# Altium PCB PCB2.PcbDoc
Units mm, origin at the board's own origin, x right, y up, seen from the top; angles counter-clockwise.
Board outline 126.28 x 82.85 mm, 2 copper layers (Top Layer, Bottom Layer); 46 components, 100 nets, 357 pads, 56 vias.
Unrouted connection lines stored in the file: 3.
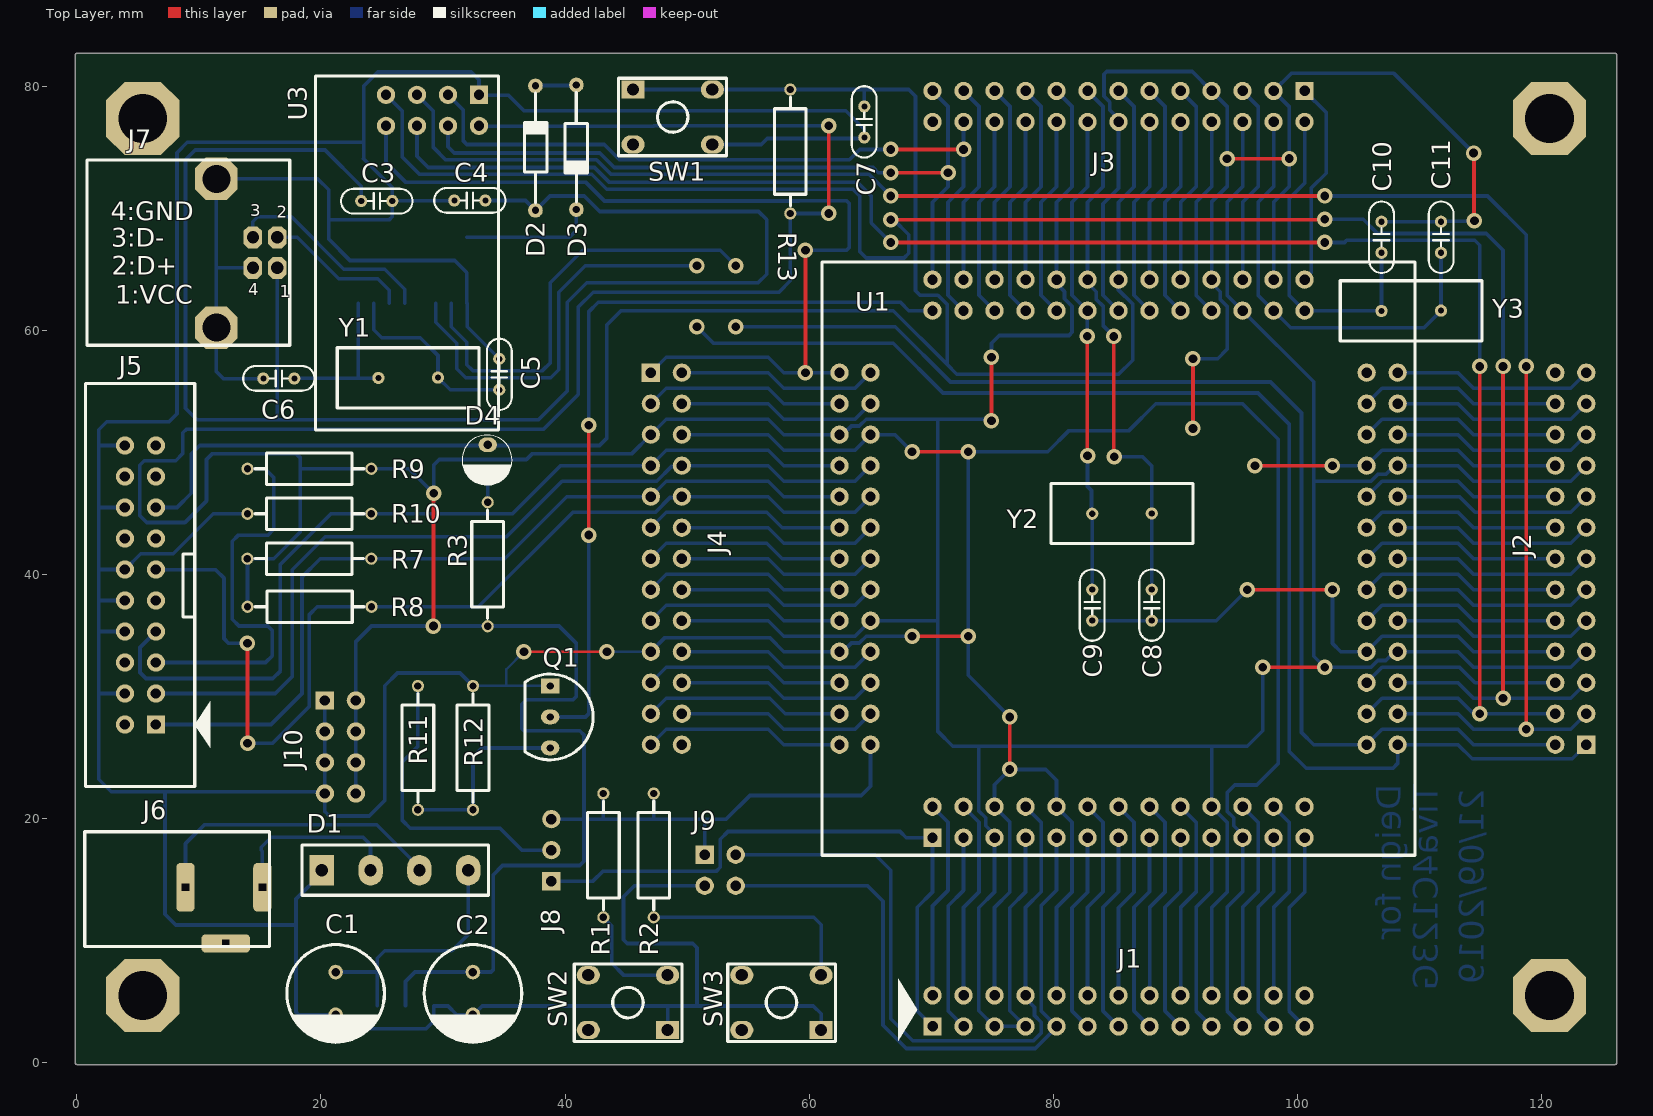
[diagram p0: Top Layer view]
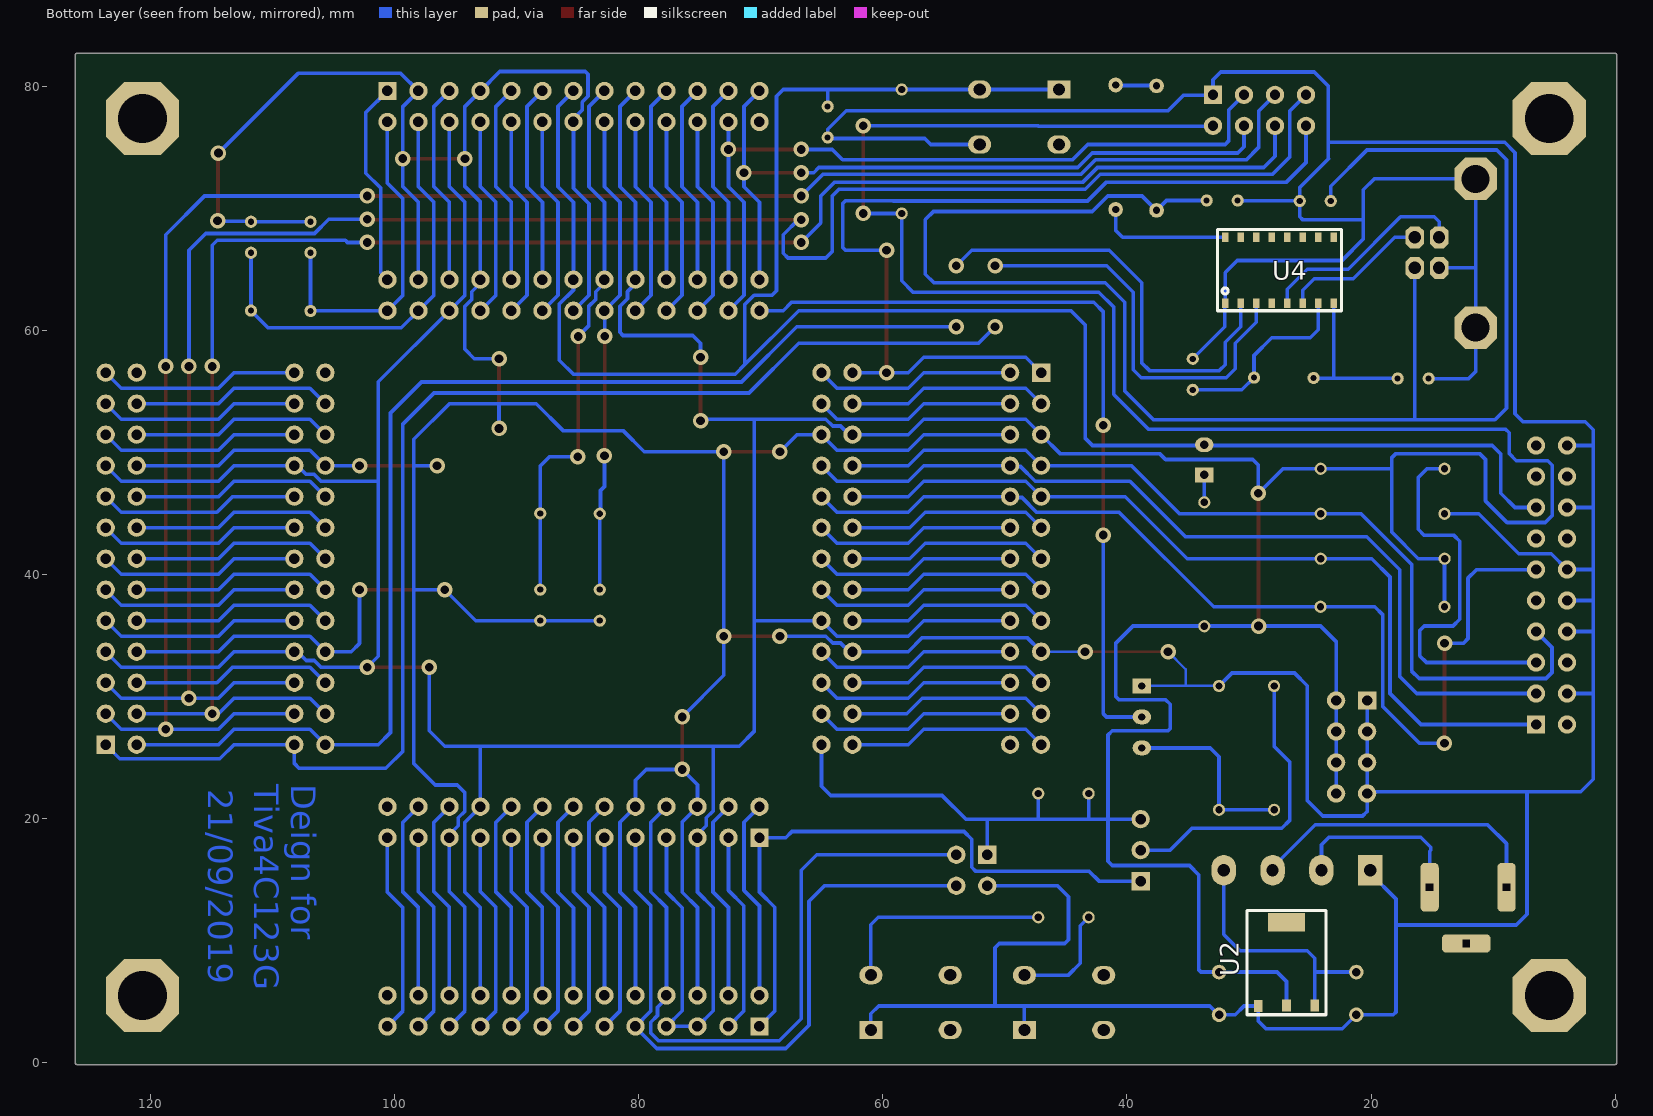
[diagram p1: Bottom Layer view, seen from below]

## Layer stack, top to bottom
Top Solder: solder mask 0.0102, Solder Resist, Dk 3.5
Top Layer: signal copper 0.0356
Dielectric 1: dielectric 0.32, FR-4, Dk 4.8
Bottom Layer: signal copper 0.0356
Bottom Solder: solder mask 0.0102, Solder Resist, Dk 3.5

## Board outline
0,-0.152 cw(c0,-0.025) -0.127,-0.025 -0.127,82.567 cw(c0,82.567) 0.002,82.694 126.025,82.694 cw(c126.025,82.567) 126.152,82.567 126.152,-0.025 cw(c126.025,-0.025) 126.025,-0.152

## Design rules (kind name [scope] priority, off if disabled: settings)
Clearance [All] p1: gap=0.254 ignorepadtopadclearanceinfootprint=FALSE except(0: Arc-Hole Track-Hole SMDPad-Hole THPad-Hole Via-Hole Fill-Hole Poly-Hole Region-Hole Text-Hole)
PolygonConnect [All] p1: connectstyle=Relief reliefconductorwidth=0.254 reliefentries=4 polygonreliefangle="90 Angle" airgapwidth=0.254
RoutingVias [All] p1: holewidth=0.711 width=1.27 viastyle="Through Hole" minholewidth=0.711 minwidth=1.27 maxholewidth=0.711 maxwidth=1.27
SolderMaskExpansion [All] p1: expansion=0.102
Width [All] p1: maxlimit=1 minlimit=0.2 preferedwidth=0.3
30 further rules are at their usual default settings.

## Components (designator, comment, footprint, x,y, rotation, side; value= is the part's Value field where it differs from the comment)
C1 "100uF" CAP_RAD_D8x11.5_POL_BK 21.2,5.675 r270 top
C2 "100uF" CAP_RAD_D8x11.5_POL_BK 32.45,5.675 r270 top
C3 "100pF" CAP_DISC_PITCH_2.54MM 24.57,70.59 r180 top
C4 "10pF" CAP_DISC_PITCH_2.54MM 32.195,70.635 r0 top
C5 "22pF" CAP_DISC_PITCH_2.54MM 34.6,56.395 r270 top
C6 "22pF" CAP_DISC_PITCH_2.54MM 16.545,56.05 r0 top
C7 "100pF" CAP_DISC_PITCH_2.54MM 64.514,77.073 r90 top
C8 "22pF" CAP_DISC_PITCH_2.54MM 88.065,37.482 r90 top
C9 "22pF" CAP_DISC_PITCH_2.54MM 83.185,37.482 r90 top
C10 "22pF" CAP_DISC_PITCH_2.54MM 106.88,67.625 r270 top
C11 "22pF" CAP_DISC_PITCH_2.54MM 111.76,67.625 r270 top
D1 "Diode_Bridge" DIODE_2A 26.035,15.765 r0 top
D2 "1N4148" DO-35 37.572,74.925 r90 top
D3 "1N4148" DO-35 40.925,75 r270 top
D4 "LED 3mm" LED-3MM 33.655,49.388 r0 top
J1 "Header 13x2 TH Pitch 2.54mm" "Header 13x2 TH Pitch 2.54mm" 85.344,4.241 r90 top
J2 "Header 13x2 TH Pitch 2.54mm" "Header 13x2 TH Pitch 2.54mm" 122.395,41.292 r180 top
J3 "Header 13x2 TH Pitch 2.54mm" "Header 13x2 TH Pitch 2.54mm" 85.344,78.343 r270 top
J4 "Header 13x2 TH Pitch 2.54mm" "Header 13x2 TH Pitch 2.54mm" 48.293,41.292 r0 top
J5 "JTAG" IDC_CONNECTOR_20_2.54 5.207,39.133 r180 top
J6 "Connector" JACK-DC 1.397,14.368 r270 top
J7 "USB B Type" USB-B-TYPE 16.418,65.124 r0 top
J8 "LED" "Header 3x1 TH Pitch 2.54mm" 38.875,17.415 r90 top
J9 "Header 2x2 TH Pitch 2.54mm" "Header 2x2 TH Pitch 2.54mm" 52.705,15.765 r0 top
J10 "Header 4x2 TH Pitch 2.54mm" "Header 4x2 TH Pitch 2.54mm" 21.59,25.867 r0 top
Q1 "2SC1815-TO92" TO-92 38.775,28.325 r270 top
R1 "10K" RES-0.25W-H-MF 43.134,16.982 r90 top
R2 "10K" RES-0.25W-H-MF 47.259,16.982 r90 top
R3 "10K" RES-0.25W-H-MF 33.655,40.833 r270 top
R7 "10K" RES-0.25W-H-MF 19.045,41.292 r180 top
R8 "10K" RES-0.25W-H-MF 19.06,37.355 r180 top
R9 "10K" RES-0.25W-H-MF 19.05,48.658 r0 top
R10 "10K" RES-0.25W-H-MF 19.05,44.975 r180 top
R11 "10K" RES-0.25W-H-MF 27.94,25.79 r270 top
R12 "10K" RES-0.25W-H-MF 32.45,25.79 r270 top
R13 "10K" RES-0.25W-H-MF 58.45,74.65 r270 top
SW1 "Button1" BUTTON_HOLE_5.0mm 48.813,77.475 r90 top
SW2 "Button1" BUTTON_HOLE_5.0mm 45.15,4.925 r270 top
SW3 "Button1" BUTTON_HOLE_5.0mm 57.725,4.925 r270 top
U1 "TM4C123GH6PZI7" "QFP100-0.5 SOCKET PINOUT" 85.344,41.292 r270 top
U2 "AMS1117" SOT223-3 26.925,8.125 r180 bottom
U3 "nRF24L01" nRF24L01 29.135,78.02 r90 top
U4 "CH340G" SOP16_1.27_3.8 27.5,64.925 r90 bottom
Y1 "12MHz" HC-49S 29.58,56.1 r180 top
Y2 "12MHz" HC-49S 88.065,44.975 r180 top
Y3 "12MHz" HC-49S 106.88,61.612 r0 top

## Footprints (in the part's own frame and the unit in brackets; to place one, negate y for a bottom-side part, rotate by r counter-clockwise, add the part's x,y. Pads: shape width x height; smd on the part's side, far side on the other; paste and mask are expansions set on the pad)
BUTTON_HOLE_5.0mm [mm]
  rect 1.5x1.9 hole 1: 1(2.25,3.25)
  oval 1.5x1.9 hole 1: 2(2.25,-3.25) 3(-2.25,3.25) 4(-2.25,-3.25)
  silkscreen extent -3.18,-4.4 3.18,4.43, body extent -3,-3.86 3,3.86, height 5
CAP_DISC_PITCH_2.54MM [mm]
  round 1 hole 0.5: 1(-1.27,0) 2(1.27,0)
  silkscreen extent -2.92,-1.01 2.92,1.02, body extent -2.92,-0.85 2.92,0.85, height 5.97
CAP_RAD_D8x11.5_POL_BK [mm]
  round 1.2 hole 0.7: 1(-1.75,0) 2(1.75,0)
  silkscreen extent -4,-4 4,4, body extent -4.25,-4.25 4.25,4.25, height 13
DIODE_2A [mm]
  rect 2x2.5 hole 1: 1(-5.975,0)
  oval 2x2.5 hole 1: 2(-1.975,0) 3(2.025,0) 4(6.025,0)
  silkscreen extent -7.57,-2.05 7.68,2.07, body extent -7.47,-1.9 7.53,1.9, height 11
DO-35 [mm]
  round 1.2 hole 0.6: 1(-5.1,0) 2(5.1,0)
  silkscreen extent -4.49,-0.93 4.5,0.9, body extent -5.36,-0.92 5.36,0.92, height 2.02
HC-49S [mm]
  round 1 hole 0.5: 1(0,-0.025) 2(4.88,0)
  silkscreen extent -3.37,-2.47 8.25,2.45, body extent -3.24,-2.33 8.11,2.32, height 3.5
"Header 2x2 TH Pitch 2.54mm" [mm]
  rect 1.5x1.5 hole 0.85: 1(-1.27,1.27)
  round 1.5 hole 0.85: 2(1.27,1.27) 3(-1.27,-1.27) 4(1.27,-1.27)
  body extent -2.54,-2.54 2.54,2.54, height 8.89
"Header 3x1 TH Pitch 2.54mm" [mm]
  rect 1.5x1.5 hole 0.85: 1(-2.54,0)
  round 1.5 hole 0.85: 2(0,0) 3(2.54,0)
  body extent -3.81,-1.27 3.81,1.27, height 8.89
"Header 4x2 TH Pitch 2.54mm" [mm]
  rect 1.5x1.5 hole 0.85: 1(-1.27,3.81)
  round 1.5 hole 0.85: 2(1.27,3.81) 3(-1.27,1.27) 4(1.27,1.27) 5(-1.27,-1.27) 6(1.27,-1.27) 7(-1.27,-3.81) 8(1.27,-3.81)
  body extent -2.54,-5.08 2.54,5.08, height 8.89
"Header 13x2 TH Pitch 2.54mm" [mm]
  rect 1.5x1.5 hole 0.85: 1(-1.27,15.24)
  round 1.5 hole 0.85: 2(1.27,15.24) 3(-1.27,12.7) 4(1.27,12.7) 5(-1.27,10.16) 6(1.27,10.16) 7(-1.27,7.62) 8(1.27,7.62) 9(-1.27,5.08) 10(1.27,5.08) 11(-1.27,2.54) 12(1.27,2.54) 13(-1.27,0) 14(1.27,0) 15(-1.27,-2.54) 16(1.27,-2.54) 17(-1.27,-5.08) 18(1.27,-5.08) 19(-1.27,-7.62) 20(1.27,-7.62) 21(-1.27,-10.16) 22(1.27,-10.16) 23(-1.27,-12.7) 24(1.27,-12.7) 25(-1.27,-15.24) 26(1.27,-15.24)
  body extent -2.54,-16.51 2.54,16.51, height 8.89
IDC_CONNECTOR_20_2.54 [mm]
  rect 1.5x1.5 hole 0.85: 1(-1.27,11.43)
  round 1.5 hole 0.85: 2(1.27,11.43) 3(-1.27,8.89) 4(1.27,8.89) 5(-1.27,6.35) 6(1.27,6.35) 7(-1.27,3.81) 8(1.27,3.81) 9(-1.27,1.27) 10(1.27,1.27) 11(-1.27,-1.27) 12(1.27,-1.27) 13(-1.27,-3.81) 14(1.27,-3.81) 15(-1.27,-6.35) 16(1.27,-6.35) 17(-1.27,-8.89) 18(1.27,-8.89) 19(-1.27,-11.43) 20(1.27,-11.43)
  silkscreen extent -5.72,-16.5 4.5,16.5, body extent -4.47,-16.6 4.42,16.6, height 9
JACK-DC [mm]
  rrect50% 1.5x4 hole 0.6 square: 1(4.6,10.8)
  rrect50% 4x1.5 hole 0.6 square: 2(0,7.5) 3(0,13.8)
  silkscreen extent -4.55,-0.75 4.85,14.4, body extent -4.55,-0.78 4.85,14.43, height 11
LED-3MM [mm]
  rect 1.5x1.2 hole 0.7: 1(0,-1.238)
  oval 1.5x1.2 hole 0.7: 2(0,1.238)
  silkscreen extent -2.1,-2.06 2,2.03, body extent -2,-1.54 2,1.96, height 6.2
nRF24L01 [mm]
  rect 1.5x1.5 hole 0.85: 1(1.27,-3.81)
  round 1.5 hole 0.85: 2(-1.27,-3.81) 3(1.27,-1.27) 4(-1.27,-1.27) 5(1.27,1.27) 6(-1.27,1.27) 7(1.27,3.81) 8(-1.27,3.81)
  silkscreen extent -26.2,-5.4 2.8,9.6, body extent -26.2,-5.4 2.8,9.6, height 11.02
"QFP100-0.5 SOCKET PINOUT" [mm]
  rect 1.5x1.5 hole 0.85: 1(22.86,-15.24)
  round 1.5 hole 0.85: 2(20.32,-15.24) 3(22.86,-12.7) 4(20.32,-12.7) 5(22.86,-10.16) 6(20.32,-10.16) 7(22.86,-7.62) 8(20.32,-7.62) 9(22.86,-5.08) 10(20.32,-5.08) 11(22.86,-2.54) 12(20.32,-2.54) 13(22.86,0) 14(20.32,0) 15(22.86,2.54) 16(20.32,2.54) 17(22.86,5.08) 18(20.32,5.08) 19(22.86,7.62) 20(20.32,7.62) 21(22.86,10.16) 22(20.32,10.16) 23(22.86,12.7) 24(20.32,12.7) 25(22.86,15.24) 26(15.24,22.86) 27(15.24,20.32) 28(12.7,22.86) 29(12.7,20.32) 30(10.16,22.86) 31(10.16,20.32) 32(7.62,22.86) 33(7.62,20.32) 34(5.08,22.86) 35(5.08,20.32) 36(2.54,22.86) 37(2.54,20.32) 38(0,22.86) 39(0,20.32) 40(-2.54,22.86) 41(-2.54,20.32) 42(-5.08,22.86) 43(-5.08,20.32) 44(-7.62,22.86) 45(-7.62,20.32) 46(-10.16,22.86) 47(-10.16,20.32) 48(-12.7,22.86) 49(-12.7,20.32) 50(-15.24,22.86) 51(-22.86,15.24) 52(-20.32,15.24) 53(-22.86,12.7) 54(-20.32,12.7) 55(-22.86,10.16) 56(-20.32,10.16) 57(-22.86,7.62) 58(-20.32,7.62) 59(-22.86,5.08) 60(-20.32,5.08) 61(-22.86,2.54) 62(-20.32,2.54) 63(-22.86,0) 64(-20.32,0) 65(-22.86,-2.54) 66(-20.32,-2.54) 67(-22.86,-5.08) 68(-20.32,-5.08) 69(-22.86,-7.62) 70(-20.32,-7.62) 71(-22.86,-10.16) 72(-20.32,-10.16) 73(-22.86,-12.7) 74(-20.32,-12.7) 75(-22.86,-15.24) 76(-15.24,-22.86) 77(-15.24,-20.32) 78(-12.7,-22.86) 79(-12.7,-20.32) 80(-10.16,-22.86) 81(-10.16,-20.32) 82(-7.62,-22.86) 83(-7.62,-20.32) 84(-5.08,-22.86) 85(-5.08,-20.32) 86(-2.54,-22.86) 87(-2.54,-20.32) 88(0,-22.86) 89(0,-20.32) 90(2.54,-22.86) 91(2.54,-20.32) 92(5.08,-22.86) 93(5.08,-20.32) 94(7.62,-22.86) 95(7.62,-20.32) 96(10.16,-22.86) 97(10.16,-20.32) 98(12.7,-22.86) 99(12.7,-20.32) 100(15.24,-22.86) 101(20.32,15.24) 102(-15.24,20.32) 103(-20.32,-15.24) 104(15.24,-20.32)
  silkscreen extent -24.3,-24.3 24.3,24.3, body extent -24.13,-24.13 24.13,24.13, height 9.5
RES-0.25W-H-MF [mm]
  round 1 hole 0.6: 1(-5.075,0) 2(5.075,0)
  silkscreen extent -4.45,-1.3 4.45,1.3, body extent -5.35,-1.3 5.36,1.3, height 2.69
SOP16_1.27_3.8 [mm]
  rect 0.8x0.5 smd: 1(-2.7,4.445) 2(-2.7,3.175) 3(-2.7,1.905) 4(-2.7,0.635) 5(-2.7,-0.635) 6(-2.7,-1.905) 7(-2.7,-3.175) 8(-2.7,-4.445) 9(2.7,-4.445) 10(2.7,-3.175) 11(2.7,-1.905) 12(2.7,-0.635) 13(2.7,0.635) 14(2.7,1.905) 15(2.7,3.175) 16(2.7,4.445)
  silkscreen extent -3.32,-5.08 3.32,5.08, body extent -3.12,-4.99 3.12,4.99, height 1.59
SOT223-3 [mm]
  rect 0.7x1 smd: 1(-2.3,-3.475) 2(0,-3.45) 3(2.325,-3.45)
  rect 3x1.5 smd: 2(0,3.375)
  silkscreen extent -3.25,-4.2 3.25,4.35, body extent -3.25,-3.5 3.25,3.5, height 1.7
TO-92 [mm]
  rect 1.2x1.5 hole 0.6: 1(-2.54,0)
  oval 1.2x1.5 hole 0.6: 2(0,0) 3(2.54,0)
  silkscreen extent -3.51,-2.05 3.51,3.52, body extent -2.77,-1.21 2.77,2.35, height 7.58
USB-B-TYPE [mm]
  oct 1.5x1.8 hole 1: 1(0,0) 2(0,2.5) 3(-2,2.5) 4(-2,0)
  oct 3.5x3.5 hole 2.3: S1(-4.988,7.283) S2(-4.988,-4.909)
  silkscreen extent -15.6,-6.35 1.02,8.82, body extent -15.45,-6.18 0.85,8.68, height 10.98

## Part data
C1 C2: library part Capacitor(Radian)
C3 C4 C5 C6 C7 C8 C9 C10 C11: library part Capacitors(Disc)
D2 D3: library part "Diode 1N4148"
J5: library part IDC_CONNECTOR_10x2
J6: library part JackDC
J8: library part "Header 3x1 TH Pitch 2.54mm"
R1 R2 R3 R7 R8 R9 R10 R11 R12 R13: library part "Resistors THD"
U2: library part AMS1117(SOT-223)
Y1 Y2 Y3: library part Crystal

## Free pads (board coordinates)
  oct 6x6 hole 4: 3(5.4,77.36) 4(5.4,5.511) 5(120.65,5.511) 6(120.65,77.36)

## Via types
v1: diameter 1.27, hole 0.711, Top Layer to Bottom Layer, 56 vias

## Nets (pads, with @x,y where several pads share a name; then routed paths per layer and width w, separated by ;. In a path a pad name is that pad's centre, name@x,y a point inside that pad or via, vN(x,y) a via of type N, cw(c..) or ccw(c..) an arc to the next point about the centre after c; other vN are vias at no path point)
+5: C3.2 C4.2 D2.1 J7.1 | length 136.3
  Bottom Layer w0.3: J7.1 16.418,52.718 16.375,52.675 ; C3.2 23.3,71.8 20.325,74.775 9.7,74.775 8.9,73.975 8.9,53.625 9.85,52.675 16.375,52.675 ; C4.2 36.762,70.635 D2.1 38.757,71.01 41.566,71.01 42.836,69.74 55.847,69.74 56.515,69.072 56.515,64.603 55.807,63.895 41.77,63.895 40.175,62.3 40.175,55.025 37.825,52.675 16.375,52.675
NetC1_1: C1.1 D1.4 U2.3 | length 20.9
  Bottom Layer w0.3: C1.1 24.55,7.425 ; U2.3 24.6,8.55 25.225,9.175 30.725,9.175 32.06,10.51 D1.4 D1.4@31.965,15.67
NetC5_2: C5.2 U4.7 Y1.1 | length 15.6
  Bottom Layer w0.3: U4.7 24.325,60.05 24.988,59.387 28.133,59.387 29.58,57.94 Y1.1 30.58,55.125 C5.2
NetC6_2: C6.2 U4.8 Y1.2 | length 13
  Bottom Layer w0.3: C6.2 17.84,56.075 24.675,56.075 Y1.2 ; 23.055,56.1 U4.8
NetD1_2: D1.2 J6.3 | length 15
  Bottom Layer w0.3: J6.3 15.197,17.303 15.099,17.401 15.099,17.649 15.925,18.475 23.45,18.475 24.06,17.865 D1.2
NetD1_3: D1.3 J6.2 | length 25.1
  Bottom Layer w0.3: J6.2 8.897,17.95 10.447,19.5 24.575,19.5 28.06,16.015 D1.3
NetD2_2: D2.2 D3.1 | length 3.4
  Bottom Layer w0.3: D2.2 37.61,80.062 40.888,80.062 D3.1
NetD3_2: D3.2 U4.16 | length 10.9
  Bottom Layer w0.3: U4.16 40.35,67.625 40.925,68.2 D3.2
NetD4_1: D4.1 R3.1 | length 2.2
  Bottom Layer w0.3: R3.1 D4.1
NetJ5_5: J5.5 R9.1 | length 32.4
  Bottom Layer w0.3: J5.5 15.458,32.783 16,33.325 16,35.411 15.636,35.775 13.275,35.775 12.725,36.325 12.725,42.725 13.2,43.2 15.636,43.2 16.129,43.693 16.129,47.939 15.41,48.658 R9.1
NetJ7_2: J7.2 U4.6 | length 12
  Bottom Layer w0.3: J7.2 18.051,67.624 21.45,64.225 24.648,64.225 25.595,63.278 U4.6
NetJ7_3: J7.3 U4.5 | length 17.5
  Bottom Layer w0.3: J7.3 14.418,68.893 14.825,69.3 17.575,69.3 21.875,65 25.225,65 26.865,63.36 U4.5
NetJ8_2: J8.2 R11.1 | length 24.8
  Bottom Layer w0.3: R11.1 27.94,25.925 26.67,24.655 26.67,19.84 27.305,19.205 34.66,19.205 36.45,17.415 J8.2
NetQ1_2: Q1.2 U1.103 | length 65
  Top Layer w0.3: v1(41.925,43.225) v1(41.925,52.225)
  Bottom Layer w0.3: Q1.2 41.675,28.325 41.925,28.575 v1(41.925,43.225) ; v1(41.925,52.225) 41.925,61.5 42.725,62.3 67.475,62.3 68.163,61.612 U1.103
NetQ1_3: Q1.3 R11.2 R12.2 | length 15.5
  Bottom Layer w0.3: R11.2 R12.2 32.45,25.055 33.18,25.785 Q1.3
PD21: R1.1 SW2.3 | length 9
  Bottom Layer w0.3: R1.1 43.815,11.226 43.815,8.145 44.785,7.175 SW2.3
PD22: R2.1 SW3.3 | length 18.1
  Bottom Layer w0.3: R2.1 60.373,11.907 60.975,11.305 SW3.3
PIN1: J1.1 J8.1 U1.1 | length 51
  Bottom Layer w0.3: J8.1 42.29,14.875 43.085,15.67 52.36,15.67 52.705,16.015 52.705,18.305 53.34,18.94 67.437,18.94 67.945,18.432 U1.1 70.104,13.987 68.85,12.733 68.85,4.225 J1.1
PIN2: J1.2 U1.2 | length 16.5
  Bottom Layer w0.3: J1.2 70.104,12.844 71.374,14.114 71.374,19.702 U1.2
PIN3: J1.3 U1.3 | length 16.5
  Bottom Layer w0.3: J1.3 71.39,4.225 71.39,12.86 72.644,14.114 U1.3
PIN4: J1.4 U1.4 | length 16.5
  Bottom Layer w0.3: J1.4 72.644,12.717 73.914,13.987 73.914,19.702 U1.4
PIN5: C2.1 J1.5 J1.7 J1.20 J2.7 J2.19 J3.6 J3.17 J4.5 J4.18 J8.3 J9.1 J10.2 J10.4 J10.6 J10.8 R1.2 R2.2 R3.2 R7.2 R8.2 R9.2 R13.2 U1.5 U1.7 U1.20 U1.32 U1.44 U1.56 U1.67 U1.80 U1.93 U1.104 U2.2 U3.2 | length 621.9
  Top Layer w0.3: v1(29.21,35.775) 29.218,35.783 29.218,46.643 v1(29.225,46.65) ; v1(61.595,69.575) v1(61.595,76.75) ; v1(74.93,52.595) v1(74.93,57.802) ; v1(97.155,32.402) v1(102.235,32.402)
  Bottom Layer w0.3: R8.2 13.978,37.363 13.978,41.284 R7.2 16.129,41.292 18.288,43.451 18.288,48.658 18.288,49.587 18,49.875 11.075,49.875 10.625,49.425 10.625,46.025 8.85,44.25 5.725,44.25 5.15,44.825 5.15,48.95 5.525,49.325 8.1,49.325 8.675,49.9 8.675,51.6 8.975,51.9 38.225,51.9 41.075,54.75 41.075,61.905 42.3,63.13 57.525,63.13 58.45,64.055 R13.2 v1(61.595,69.575) ; 18.325,48.658 R9.2 27.217,48.658 v1(29.225,46.65) 29.225,48.95 29.695,49.42 36.83,49.42 37.285,49.875 45.446,49.875 J4.5 48.293,52.722 56.642,52.722 57.912,51.452 U1.80 62.749,51.452 63.465,52.168 64.108,52.168 64.662,52.722 70.543,52.722 ; J10.8 J10.6 ; J10.6 J10.4 J10.2 22.86,34.502 24.133,35.775 v1(29.21,35.775) 33.655,35.775 39.5,35.775 40.925,34.35 40.925,30.02 40.64,29.735 36.83,29.735 36.45,29.355 36.45,27.371 36.626,27.195 41.2,27.195 41.55,26.845 41.55,19.955 ; U2.2@26.925,4.675 26.925,6.65 27.7,7.425 C2.1 33.925,7.425 34.125,7.625 34.125,15.4 34.875,16.15 41.2,16.15 41.55,16.5 41.55,19.955 ; U3.2@32.965,76.725 47.259,76.725 47.284,76.75 v1(61.595,76.75) ; J8.3 41.55,19.955 ; R1.2 43.134,20.001 43.18,19.955 ; R2.2 47.259,19.955 ; J4.18 56.642,36.212 57.912,34.942 63.754,34.942 U1.93 70.416,36.212 70.543,36.085 ; J9.1 51.435,19.955 ; U1.104 65.024,22.649 64.268,21.893 55.15,21.893 53.212,19.955 51.435,19.955 ; v1(74.93,52.595) 74.803,52.722 70.543,52.722 ; v1(74.93,57.802) 74.93,58.945 75.565,59.58 81.28,59.58 81.534,59.834 81.534,61.974 80.918,62.59 80.918,63.174 80.264,63.827 U1.67 80.264,70.502 81.534,71.772 81.534,78.343 J3.17 ; U1.7 77.724,13.987 76.438,12.701 76.438,4.257 J1.7 J1.5 73.898,4.257 73.898,12.701 75.184,13.987 U1.5 75.184,18.697 74.468,19.413 74.468,20.056 73.898,20.626 73.898,25.909 73.914,25.925 ; J1.20 92.964,12.701 94.234,13.971 94.234,19.702 U1.20 92.964,25.925 ; J3.6 95.504,71.772 94.234,70.502 94.234,62.882 U1.56 101.333,55.783 101.333,47.642 ; v1(97.155,32.402) 97.155,27.195 95.885,25.925 92.964,25.925 ; J2.7 122.395,32.402 114.427,32.402 113.157,33.672 U1.32 107.939,33.672 107.223,32.956 106.58,32.956 106.026,32.402 v1(102.235,32.402) 101.333,33.304 101.333,47.642 ; J2.19 122.395,47.642 114.427,47.642 113.157,48.912 U1.44 107.939,48.912 107.223,48.196 106.58,48.196 106.026,47.642 101.333,47.642 ; 41.55,19.955 43.18,19.955 ; 43.18,19.955 47.259,19.955 ; 47.259,19.955 51.435,19.955 ; 70.543,36.085 70.543,36.212 70.543,52.722 ; 70.543,36.085 70.543,27.137 71.755,25.925 73.914,25.925 ; 73.914,25.925 92.964,25.925
PIN6: C1.2 C2.2 C3.1 C4.1 C5.1 C6.1 C7.1 C8.1 C9.1 C10.1 C11.1 D1.1 J1.6 J1.10 J1.21 J2.8 J2.20 J3.3 J3.7 J3.14 J4.6 J4.19 J5.4 J5.8 J5.10 J5.12 J5.16 J5.20 J7.4 J7.S1 J7.S2 J9.3 J10.1 J10.3 J10.5 J10.7 Q1.1 R10.2 R12.1 SW1.4 SW2.1 SW3.1 U1.6 U1.10 U1.21 U1.33 U1.45 U1.53 U1.57 U1.64 U1.81 U1.94 U2.1 U3.1 U4.1 | length 806.9
  Top Layer w0.2: v1(36.626,33.672) v1(43.425,33.672)
  Top Layer w0.3: v1(68.425,34.942) v1(73.025,34.942) ; v1(68.425,50.055) v1(73.025,50.055) ; v1(76.438,24.02) v1(76.438,28.325) ; v1(91.44,51.96) v1(91.44,57.675) ; v1(94.234,74.05) 99.3,74.05 v1(99.325,74.075) ; v1(95.885,38.752) v1(102.87,38.752) ; v1(96.52,48.912) v1(102.87,48.912) ; v1(114.425,74.525) 114.462,74.488 114.462,69.013 v1(114.5,68.975)
  Bottom Layer w0.2: R12.1 35.192,30.865 ; v1(36.626,33.672) 35.192,32.238 35.192,30.865 ; Q1.1 35.192,30.865 ; v1(43.425,33.672) J4.19
  Bottom Layer w0.3: 1.825,37.863 J5.10 ; 1.825,40.403 J5.12 5.234,41.7 7.9,41.7 11.175,44.975 R10.2 ; 1.85,45.483 J5.16 ; J5.4 1.8,30.243 ; J5.8 1.873,35.323 1.8,35.25 ; J5.20 1.812,50.563 1.8,50.575 ; J7.4 11.481,65.124 11.43,65.175 ; C6.1 15.27,56.045 12,56.045 11.43,56.615 J7.S2 11.43,65.175 ; D1.1 20.06,15.515 17.95,13.405 17.95,11.275 ; J10.1 J10.3 J10.5 J10.7@20.32,22.2 ; C4.1 30.903,70.612 25.862,70.612 C3.1 ; R12.1 31.39,31.925 26.27,31.925 25.225,30.88 25.225,21.48 23.955,20.21 20.692,20.21 20.352,20.55 20.32,20.55 J10.7 J10.7@20.32,22.2 ; U3.1 32.945,80.535 32.31,81.17 24.64,81.17 23.495,80.025 23.495,75.4 ; U3.1@32.965,79.265 35.36,79.265 36.63,77.995 63,77.995 64.514,76.481 C7.1 64.422,75.711 56.55,75.711 56.064,75.225 SW1.4 ; C5.1 31.975,60.29 31.975,62.195 U4.1 31.945,64.73 30.95,65.725 22.375,65.725 20.625,67.475 20.625,69.105 ; J4.19 48.177,34.826 56.758,34.826 57.912,33.672 U1.94 62.749,33.672 63.465,34.388 64.108,34.388 64.662,34.942 v1(68.425,34.942) ; SW2.1 48.4,4.65 ; J4.6 56.642,51.452 57.912,50.182 63.754,50.182 U1.81 67.028,51.452 v1(68.425,50.055) ; J9.3 45.69,14.495 44.785,13.59 44.785,10.068 45.085,9.768 50.447,9.768 50.8,9.415 50.8,4.65 ; SW3.1 60.975,4 60.325,4.65 50.8,4.65 ; J1.6 75.184,12.717 76.438,13.971 76.438,19.718 U1.6 75.184,22.766 v1(76.438,24.02) 79.375,24.02 80.264,23.131 U1.10 81.534,19.702 81.534,13.987 80.264,12.717 J1.10 ; v1(76.438,28.325) 73.025,31.738 v1(73.025,34.942) v1(73.025,50.055) 79.549,50.055 81.28,51.786 86.194,51.786 88.4,53.992 91.44,53.992 ; C9.1 C8.1 93.345,36.212 v1(95.885,38.752) 98.425,38.752 ; U1.64 84.074,62.882 84.074,70.375 85.344,71.645 J3.14 85.344,77.338 84.628,78.054 84.628,78.697 84.149,79.176 84.149,80.974 84.375,81.2 91.377,81.2 J3.7 94.234,78.343 v1(94.234,74.05) 94.234,71.784 92.964,70.514 U1.57 92.964,63.887 93.68,63.171 93.68,62.528 94.234,61.974 94.234,58.448 93.461,57.675 v1(91.44,57.675) ; v1(91.44,51.96) 91.44,53.992 ; J1.21 94.234,4.241 94.234,12.733 95.504,14.003 U1.21 95.504,18.697 94.788,19.413 94.788,20.056 94.234,20.61 94.234,22.115 94.869,22.75 96.671,22.75 98.425,24.504 98.425,38.752 ; v1(96.52,48.912) 98.425,48.912 ; U1.53 98.044,70.502 99.314,71.772 99.314,74.075 99.314,78.343 J3.3 99.481,81.05 107.9,81.05 v1(114.425,74.525) ; v1(102.87,38.752) 102.87,34.35 103.548,33.672 U1.33 106.934,34.942 113.157,34.942 114.427,33.672 J2.8 ; v1(102.87,48.912) U1.45 106.934,50.182 113.157,50.182 114.427,48.912 J2.20 ; C10.1 C11.1 111.8,68.935 114.46,68.935 v1(114.5,68.975) ; 1.8,30.243 1.8,35.25 ; 1.8,30.243 1.8,23.225 2.825,22.2 7.225,22.2 ; 1.8,35.25 1.8,50.575 ; 1.8,50.575 1.8,51.85 2.45,52.5 7.55,52.5 8.208,53.158 8.208,74.558 9.05,75.4 23.495,75.4 ; 7.225,22.2 J10.7@20.32,22.2 ; 7.225,22.2 7.225,12.15 8.1,11.275 17.95,11.275 ; 11.43,65.175 J7.S1 19.743,72.407 20.625,71.525 20.625,69.105 ; 17.95,11.275 17.95,4.151 18.176,3.925 C1.2 22.35,2.775 28.6,2.775 29.225,3.4 U2.1 30.4,4.65 31.125,3.925 C2.2 32.485,3.925 33.21,4.65 48.4,4.65 ; 20.625,69.105 20.658,69.072 25.612,69.072 25.84,69.3 C3.1 ; 23.495,75.4 23.495,74.057 23.488,74.05 25.84,71.698 C3.1 ; 48.4,4.65 50.8,4.65 ; 91.44,53.992 95.504,53.992 98.425,51.071 98.425,48.912 ; 98.425,38.752 98.425,48.912
PIN8: J1.8 J9.2 U1.8 | length 58.9
  Bottom Layer w0.3: J9.2 65.405,17.035 66.675,15.765 66.675,3.606 68.486,1.795 78.375,1.795 79.01,2.43 79.01,3.317 78.456,3.871 78.456,4.546 77.724,5.278 J1.8 77.724,12.717 79.01,14.003 79.01,19.686 U1.8
PIN9: J1.9 J9.4 U1.9 | length 55.1
  Bottom Layer w0.3: J9.4 64.77,14.495 66.04,13.225 66.04,3.065 67.945,1.16 78.523,1.16 80.264,2.901 J1.9 79.01,4.225 79.01,12.876 80.264,14.13 U1.9
PIN11: J1.11 U1.11 | length 16.5
  Bottom Layer w0.3: J1.11 81.534,4.241 81.534,12.701 82.804,13.971 U1.11
PIN12: J1.12 U1.12 | length 16.5
  Bottom Layer w0.3: J1.12 82.804,12.733 84.074,14.003 84.074,19.702 U1.12
PIN13: J1.13 U1.13 | length 16.5
  Bottom Layer w0.3: J1.13 84.074,4.241 84.074,12.733 85.344,14.003 U1.13
PIN14: J1.14 U1.14 | length 16.5
  Bottom Layer w0.3: J1.14 85.344,12.701 86.614,13.971 86.614,19.702 U1.14
PIN15: J1.15 U1.15 | length 16.5
  Bottom Layer w0.3: J1.15 86.614,4.241 86.614,12.733 87.884,14.003 U1.15
PIN16: J1.16 U1.16 | length 16.5
  Bottom Layer w0.3: J1.16 87.884,12.717 89.154,13.987 89.154,19.702 U1.16
PIN17: J1.17 U1.17 | length 16.5
  Bottom Layer w0.3: J1.17 89.154,4.241 89.154,12.733 90.424,14.003 U1.17
PIN18: J1.18 U1.18 | length 16.5
  Bottom Layer w0.3: J1.18 90.424,12.717 91.694,13.987 91.694,19.702 U1.18
PIN19: J1.19 U1.19 | length 16.5
  Bottom Layer w0.3: J1.19 91.694,4.241 91.694,12.733 92.964,14.003 U1.19
PIN22: J1.22 U1.22 | length 16.5
  Bottom Layer w0.3: J1.22 95.504,12.733 96.774,14.003 96.774,19.702 U1.22
PIN23: J1.23 U1.23 | length 16.5
  Bottom Layer w0.3: J1.23 96.774,4.241 96.774,12.733 98.044,14.003 U1.23
PIN24: J1.24 U1.24 | length 16.5
  Bottom Layer w0.3: J1.24 98.044,12.717 99.314,13.987 99.314,19.702 U1.24
PIN25: J1.25 U1.25 | length 16.5
  Bottom Layer w0.3: J1.25 99.314,4.241 99.314,12.701 100.584,13.971 U1.25
PIN26: J2.1 U1.26 U4.3 | length 139.8
  Bottom Layer w0.3: U4.3 29.405,60.657 31.115,58.947 31.115,56.86 31.85,56.125 38.825,56.125 39.475,56.775 39.475,63.13 41.64,65.295 v1(50.8,65.295) ; v1(50.8,60.3) 52.155,58.945 66.88,58.945 70.954,54.871 96.763,54.871 99.314,52.32 99.314,25.52 100.709,24.125 107.825,24.125 108.204,24.504 U1.26 113.157,26.052 114.311,24.898 122.511,24.898 J2.1
PIN27: J2.2 U1.27 U4.2 | length 134
  Bottom Layer w0.3: U4.2 30.675,60.3 31.945,59.03 31.945,57.18 32.425,56.7 38.15,56.7 38.775,57.325 38.775,63.895 41.445,66.565 52.705,66.565 v1(53.975,65.295) ; v1(53.975,60.3) 67.05,60.3 71.58,55.77 97.79,55.77 100.33,53.23 100.33,27.055 101.333,26.052 U1.27 106.934,27.322 113.157,27.322 114.427,26.052 J2.2
PIN28: J2.3 U1.28 U3.5 | length 154.4
  Top Layer w0.3: v1(66.675,71.01) v1(102.235,71.01) ; v1(118.745,27.322) v1(118.745,57.04)
  Bottom Layer w0.3: U3.5 29.21,77.945 29.21,74.97 30.205,73.975 42.564,73.975 43.754,72.785 64.9,72.785 v1(66.675,71.01) ; v1(102.235,71.01) 115.57,71.01 118.745,67.835 v1(118.745,57.04) ; U1.28 113.157,28.592 114.427,27.322 v1(118.745,27.322) 122.395,27.322 J2.3
PIN29: J2.4 U1.29 U3.6 | length 148.9
  Top Layer w0.3: v1(66.675,67.2) v1(102.235,67.2) ; v1(114.935,28.592) v1(114.935,57.04)
  Bottom Layer w0.3: U3.6 27.865,74.26 28.786,73.339 42.417,73.339 43.638,72.118 63.967,72.118 65.075,71.01 65.075,68.8 v1(66.675,67.2) ; v1(102.235,67.2) 103.85,67.2 104.025,67.375 114.525,67.375 114.935,66.965 v1(114.935,57.04) ; U1.29 106.934,29.862 113.157,29.862 114.427,28.592 v1(114.935,28.592) J2.4
PIN30: J2.5 U1.30 U3.7 | length 161.3
  Top Layer w0.3: v1(66.675,69.072) 102.202,69.072 v1(102.235,69.105) ; v1(116.84,29.862) v1(116.84,57.04)
  Bottom Layer w0.3: U3.7 26.67,77.945 26.67,74.185 28.07,72.785 42.187,72.785 43.408,71.564 63.581,71.564 64.135,71.01 64.135,66.457 64.662,65.93 67.769,65.93 68.146,66.307 68.146,67.835 66.909,69.072 v1(66.675,69.072) ; v1(102.235,69.105) 105.392,69.105 106.561,67.936 115.469,67.936 116.84,66.565 v1(116.84,57.04) ; U1.30 113.157,31.132 114.427,29.862 v1(116.84,29.862) 122.395,29.862 J2.5
PIN31: J2.6 U1.31 | length 16.5
  Bottom Layer w0.3: U1.31 106.934,32.402 113.284,32.402 114.554,31.132 J2.6
PIN34: J2.9 U1.34 | length 16.5
  Bottom Layer w0.3: U1.34 113.157,36.212 114.427,34.942 122.395,34.942 J2.9
PIN35: J2.10 U1.35 | length 16.5
  Bottom Layer w0.3: U1.35 106.934,37.482 113.157,37.482 114.427,36.212 J2.10
PIN36: J2.11 U1.36 | length 16.5
  Bottom Layer w0.3: U1.36 113.157,38.752 114.427,37.482 122.395,37.482 J2.11
PIN37: J2.12 U1.37 | length 16.5
  Bottom Layer w0.3: U1.37 106.934,40.022 113.157,40.022 114.427,38.752 J2.12
PIN38: J2.13 U1.38 | length 16.5
  Bottom Layer w0.3: U1.38 113.157,41.292 114.427,40.022 122.395,40.022 J2.13
PIN39: J2.14 U1.39 | length 16.5
  Bottom Layer w0.3: U1.39 106.934,42.562 113.157,42.562 114.427,41.292 J2.14
PIN40: J2.15 U1.40 | length 16.5
  Bottom Layer w0.3: U1.40 113.157,43.832 114.427,42.562 122.395,42.562 J2.15
PIN41: J2.16 U1.41 | length 16.5
  Bottom Layer w0.3: U1.41 106.934,45.102 113.157,45.102 114.427,43.832 J2.16
PIN42: J2.17 U1.42 | length 16.5
  Bottom Layer w0.3: U1.42 113.284,46.372 114.554,45.102 122.395,45.102 J2.17
PIN43: J2.18 U1.43 | length 16.5
  Bottom Layer w0.3: U1.43 106.934,47.642 113.157,47.642 114.427,46.372 J2.18
PIN46: J2.21 U1.46 | length 16.5
  Bottom Layer w0.3: U1.46 113.157,51.452 114.427,50.182 122.395,50.182 J2.21
PIN47: J2.22 U1.47 | length 16.5
  Bottom Layer w0.3: U1.47 106.934,52.722 113.157,52.722 114.427,51.452 J2.22
PIN48: J2.23 U1.48 | length 16.5
  Bottom Layer w0.3: U1.48 113.157,53.992 114.427,52.722 122.395,52.722 J2.23
PIN49: J2.24 U1.49 | length 16.5
  Bottom Layer w0.3: U1.49 106.934,55.262 113.157,55.262 114.427,53.992 J2.24
PIN50: J2.25 U1.50 | length 16.5
  Bottom Layer w0.3: U1.50 113.157,56.532 114.427,55.262 122.395,55.262 J2.25
PIN51: J3.1 U1.51 | length 16.9
  Bottom Layer w0.3: U1.51 101.138,64.706 101.138,71.663 102.35,72.875 102.35,77.847 J3.1
PIN52: C10.2 J3.2 U1.52 Y3.1 | length 27.6
  Bottom Layer w0.3: J3.2 100.584,72.054 99.314,70.784 99.314,62.882 U1.52 100.597,61.6 106.867,61.6 Y3.1 C10.2
PIN54: C11.2 J3.4 U1.54 Y3.2 | length 36.1
  Bottom Layer w0.3: J3.4 98.044,71.772 96.774,70.502 96.774,62.882 U1.54 99.441,60.215 110.363,60.215 Y3.2 C11.2
PIN55: J3.5 U1.55 | length 16.5
  Bottom Layer w0.3: U1.55 95.504,70.502 96.774,71.772 96.774,78.343 J3.5
PIN58: J3.8 U1.58 | length 16.5
  Bottom Layer w0.3: U1.58 91.694,62.882 91.694,70.502 92.964,71.772 J3.8
PIN59: J3.9 U1.59 | length 16.5
  Bottom Layer w0.3: U1.59 90.424,70.502 91.694,71.772 91.694,78.343 J3.9
PIN60: J3.10 U1.60 | length 16.5
  Bottom Layer w0.3: U1.60 89.154,62.882 89.154,70.502 90.424,71.772 J3.10
PIN61: J3.11 U1.61 | length 16.5
  Bottom Layer w0.3: U1.61 87.884,70.502 89.154,71.772 89.154,78.343 J3.11
PIN62: J3.12 U1.62 | length 16.5
  Bottom Layer w0.3: U1.62 86.614,62.882 86.614,70.502 87.884,71.772 J3.12
PIN63: C7.2 D4.2 J3.13 J5.15 R13.1 SW1.1 SW1.2 U1.63 | length 168.9
  Bottom Layer w0.3: J5.15 8.208,45.483 9.375,46.65 9.375,49.875 10.063,50.563 33.655,50.563 42.813,50.563 43.425,51.175 43.425,60.46 44.577,61.612 66.888,61.612 71.3,57.2 ; SW1.1 SW1.2 R13.1 64.514,79.725 ; C7.2 64.514,79.725 ; J3.13 86.614,78.343 86.614,71.772 85.344,70.502 U1.63 85.344,63.306 86.498,62.152 86.498,57.559 85.344,56.405 72.095,56.405 71.3,57.2 ; 64.514,79.725 68.15,79.725 68.7,79.175 68.7,63.25 69.068,62.882 70.543,62.882 71.3,62.125 71.3,57.2
PIN65: C8.2 J3.15 U1.65 Y2.1 | length 45.4
  Top Layer w0.3: v1(84.95,59.5) 84.95,49.725 84.975,49.7 84.975,49.675 v1(85,49.65)
  Bottom Layer w0.3: J3.15 84.074,78.343 84.074,71.772 82.804,70.502 U1.65 82.804,63.887 83.52,63.171 83.52,62.528 84.1,61.948 84.1,60.35 v1(84.95,59.5) ; v1(85,49.65) 87.3,49.65 88.065,48.885 Y2.1 C8.2
PIN66: C9.2 J3.16 U1.66 Y2.2 | length 39.6
  Top Layer w0.3: v1(82.775,59.525) 82.788,59.512 82.788,49.738 v1(82.8,49.725)
  Bottom Layer w0.3: v1(82.775,59.525) 82.789,59.539 82.789,61.598 U1.66 81.534,62.882 81.534,70.502 82.804,71.772 J3.16 ; v1(82.8,49.725) 82.8,47.2 83.125,46.875 83.125,45.035 Y2.2 C9.2
PIN68: J3.18 U1.68 | length 16.5
  Bottom Layer w0.3: U1.68 78.994,62.882 78.994,70.502 80.264,71.772 J3.18
PIN69: J3.19 U1.69 | length 16.5
  Bottom Layer w0.3: U1.69 77.724,70.502 78.994,71.772 78.994,78.343 J3.19
PIN70: J3.20 U1.70 | length 16.5
  Bottom Layer w0.3: U1.70 76.454,62.882 76.454,70.502 77.724,71.772 J3.20
PIN71: J3.21 U1.71 | length 16.5
  Bottom Layer w0.3: U1.71 75.184,70.502 76.454,71.772 76.454,78.343 J3.21
PIN72: J3.22 U1.72 | length 16.5
  Bottom Layer w0.3: U1.72 73.914,62.882 73.914,70.502 75.184,71.772 J3.22
PIN73: J3.23 U1.73 | length 16.5
  Bottom Layer w0.3: U1.73 72.644,70.502 73.914,71.772 73.914,78.343 J3.23
PIN74: J3.24 U1.74 U3.3 | length 62.8
  Top Layer w0.3: v1(66.675,74.82) v1(72.644,74.82)
  Bottom Layer w0.3: U3.3 31.668,78.027 31.668,75.502 31.945,75.225 43.2,75.225 44.45,73.975 63.29,73.975 64.135,74.82 v1(66.675,74.82) ; U1.74 71.374,62.882 71.374,70.502 72.644,71.772 v1(72.644,74.82) J3.24
PIN75: J3.25 U1.75 U3.4 | length 60.1
  Top Layer w0.3: v1(66.675,72.915) v1(71.374,72.915)
  Bottom Layer w0.3: U3.4 30.405,75.049 30.925,74.529 42.836,74.529 44.026,73.339 65.235,73.339 65.659,72.915 v1(66.675,72.915) ; U1.75 70.104,70.502 71.374,71.772 v1(71.374,72.915) 71.374,78.343 J3.25
PIN76: J4.1 U1.76 U3.8 | length 76.2
  Top Layer w0.3: v1(59.69,56.532) v1(59.69,66.565)
  Bottom Layer w0.3: U3.8 25.325,73.752 26.959,72.118 41.705,72.118 43.233,70.59 59.136,70.59 59.16,70.614 63.051,70.614 63.29,70.375 63.29,66.804 63.051,66.565 v1(59.69,66.565) ; J4.1 48.293,57.802 56.642,57.802 57.912,56.532 v1(59.69,56.532) U1.76
PIN77: J4.2 U1.77 | length 16.5
  Bottom Layer w0.3: J4.2 56.642,56.532 57.912,55.262 63.754,55.262 U1.77
PIN78: J4.3 U1.78 | length 16.5
  Bottom Layer w0.3: J4.3 48.293,55.262 56.642,55.262 57.912,53.992 U1.78
PIN79: J4.4 U1.79 | length 16.5
  Bottom Layer w0.3: J4.4 56.642,53.992 57.912,52.722 63.754,52.722 U1.79
PIN82: J4.7 J5.7 R10.1 U1.82 | length 75.1
  Bottom Layer w0.3: J5.7 5.175,34.021 5.175,31.965 5.665,31.475 16.05,31.475 16.674,32.099 16.674,40.833 20.816,44.975 R10.1 35.687,44.975 39.624,48.912 J4.7 48.293,50.182 56.642,50.182 57.912,48.912 U1.82 U1.82@62.749,48.912
PIN83: J4.8 J5.3 U1.83 | length 72.5
  Bottom Layer w0.3: J5.3 16.256,30.243 17.653,31.64 17.653,40.385 20.35,43.082 35.192,43.082 39.752,47.642 47.51,47.642 48.708,48.841 49.492,48.841 J4.8 56.642,48.912 57.912,47.642 63.754,47.642 U1.83
PIN84: J4.9 J5.1 R7.1 U1.84 | length 70.7
  Bottom Layer w0.3: J5.1 15.91,27.703 18.45,30.243 18.45,39.795 19.947,41.292 R7.1 35.052,41.292 40.132,46.372 J4.9 48.293,47.642 56.642,47.642 57.912,46.372 U1.84 U1.84@62.749,46.372
PIN85: J4.10 J5.11 R8.1 U1.85 | length 85.9
  Top Layer w0.3: v1(13.975,34.35) 13.98,34.345 13.98,26.18 v1(13.985,26.175)
  Bottom Layer w0.3: J5.11 6.491,40.389 11.361,40.389 12.05,39.7 12.05,34.75 12.45,34.35 v1(13.975,34.35) ; v1(13.985,26.175) 16.026,26.175 19.05,29.199 19.05,36.72 19.685,37.355 R8.1 32.893,37.355 40.64,45.102 47.4,45.102 48.599,46.301 49.492,46.301 J4.10 56.642,46.372 57.912,45.102 63.754,45.102 U1.85
PIN86: J4.11 U1.86 | length 16.5
  Bottom Layer w0.3: J4.11 48.293,45.102 56.515,45.102 57.785,43.832 U1.86
PIN87: J4.12 U1.87 | length 16.5
  Bottom Layer w0.3: J4.12 56.642,43.832 57.912,42.562 63.754,42.562 U1.87
PIN88: J4.13 U1.88 | length 16.5
  Bottom Layer w0.3: J4.13 48.293,42.562 56.515,42.562 57.785,41.292 U1.88
PIN89: J4.14 U1.89 | length 16.5
  Bottom Layer w0.3: J4.14 56.642,41.292 57.912,40.022 63.754,40.022 U1.89
PIN90: J4.15 U1.90 | length 16.5
  Bottom Layer w0.3: J4.15 48.293,40.022 56.642,40.022 57.912,38.752 U1.90
PIN91: J4.16 U1.91 | length 16.5
  Bottom Layer w0.3: J4.16 56.642,38.752 57.912,37.482 63.754,37.482 U1.91
PIN92: J4.17 U1.92 | length 16.5
  Bottom Layer w0.3: J4.17 48.293,37.482 56.642,37.482 57.912,36.212 U1.92
PIN95: J4.20 U1.95 | length 16.5
  Bottom Layer w0.3: J4.20 56.642,33.672 57.912,32.402 63.754,32.402 U1.95
PIN96: J4.21 U1.96 | length 16.5
  Bottom Layer w0.3: J4.21 48.293,32.402 56.642,32.402 57.912,31.132 U1.96
PIN97: J4.22 U1.97 | length 16.5
  Bottom Layer w0.3: J4.22 56.642,31.132 57.912,29.862 63.754,29.862 U1.97
PIN98: J4.23 U1.98 | length 16.5
  Bottom Layer w0.3: J4.23 48.293,29.862 56.769,29.862 58.039,28.592 U1.98
PIN99: J4.24 U1.99 | length 16.5
  Bottom Layer w0.3: J4.24 56.642,28.592 57.912,27.322 63.754,27.322 U1.99
PIN100: J4.25 U1.100 | length 16.5
  Bottom Layer w0.3: J4.25 48.293,27.322 56.642,27.322 57.912,26.052 U1.100
pads on no net: J1.26 J2.26 J3.26 J4.26 J5.2 J5.6 J5.9 J5.13 J5.14 J5.17 J5.18 J5.19 J6.1 SW1.3 SW2.2 SW2.4 SW3.2 SW3.4 U1.101 U1.102 U4.4 U4.9 U4.10 U4.11 U4.12 U4.13 U4.14 U4.15

## Other copper
Top Layer:
  region: 67.725,16.3
  region: 67.525,16.1
Bottom Layer:
  text "Deign for  / Tiva4C123G" at 111.475,22.825 h2 r90
  text "21/09/2019" at 115.25,22.4 h2 r90

## Silkscreen, mask and mechanical layers (free items; w line width, h text height)
Top Overlay:
  region: 67.31,6.875 67.31,1.795 68.846,4.335
Drill Drawing:
  lines w0.254: -0.1,-0.125 -0.1,82.675 126.1,82.675 126.1,-0.175 -0.05,-0.175 -0.1,-0.125

## Text inside footprints (layer, text, board x,y; h text height)
J7: Top Overlay "1:VCC" at 3.143,62.174 h1.52; Top Overlay "2:D+" at 2.845,64.558 h1.52; Top Overlay "3:D-" at 2.818,66.849 h1.52; Top Overlay "4:GND" at 2.794,69.029 h1.52; Top Overlay "1" at 16.612,62.704 h1; Top Overlay "3" at 14.224,69.359 h1; Top Overlay "2" at 16.383,69.232 h1; Top Overlay "4" at 14.046,62.882 h1